# KiCad board Keyboard.kicad_pcb (continued)
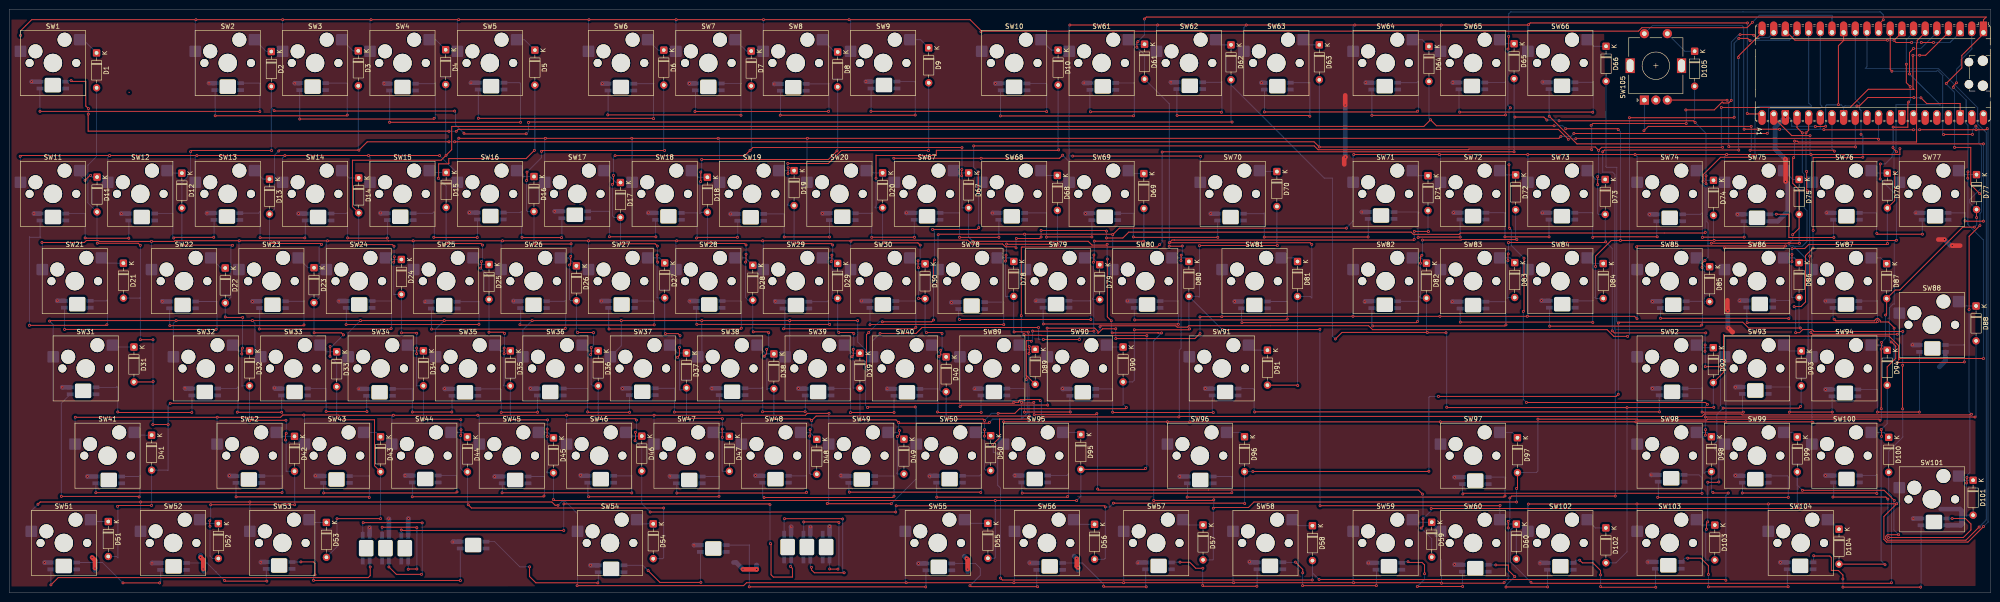
[diagram p0: board, top side]
## Footprints (pads in the part's own frame, mm; a bottom-side part is the same pattern mirrored in y, then rotated)
BAcklight
  rect 1.5x0.82 smd: 1(2.8,0.75) 2(2.8,-0.75) 3(-2.8,-0.75) 4(-2.8,0.75)
D_DO-35_SOD27_P7.62mm_Horizontal
  rrect 1.6x1.6 hole 0.8: 1(0,0)
  round 1.6 hole 0.8: 2(7.62,0)
RaspberryPi_Pico_Common_Unspecified
  round 2.2 hole 2.2 unplated: (-2.725,24) (2.725,24)
  round 1.85 hole 1.85 unplated: (-2.425,20.97) (2.425,20.97)
  custom 3.2x1.6 smd: 1(-9.69,24.13) 3(-9.69,19.05) 8(-9.69,6.35) 13(-9.69,-6.35) 18(-9.69,-19.05) 23(9.69,-19.05) 28(9.69,-6.35) 33(9.69,6.35) 38(9.69,19.05)
  rrect 1.6x1.6 hole 1: 1(-8.89,24.13)
  rrect 3.2x1.6 smd: 2(-9.69,21.59) 4(-9.69,16.51) 5(-9.69,13.97) 6(-9.69,11.43) 7(-9.69,8.89) 9(-9.69,3.81) 10(-9.69,1.27) 11(-9.69,-1.27) 12(-9.69,-3.81) 14(-9.69,-8.89) 15(-9.69,-11.43) 16(-9.69,-13.97) 17(-9.69,-16.51) 19(-9.69,-21.59) 20(-9.69,-24.13) 21(9.69,-24.13) 22(9.69,-21.59) 24(9.69,-16.51) 25(9.69,-13.97) 26(9.69,-11.43) 27(9.69,-8.89) 29(9.69,-3.81) 30(9.69,-1.27) 31(9.69,1.27) 32(9.69,3.81) 34(9.69,8.89) 35(9.69,11.43) 36(9.69,13.97) 37(9.69,16.51) 39(9.69,21.59) 40(9.69,24.13)
  round 1.6 hole 1: 2(-8.89,21.59) 4(-8.89,16.51) 5(-8.89,13.97) 6(-8.89,11.43) 7(-8.89,8.89) 9(-8.89,3.81) 10(-8.89,1.27) 11(-8.89,-1.27) 12(-8.89,-3.81) 14(-8.89,-8.89) 15(-8.89,-11.43) 16(-8.89,-13.97) 17(-8.89,-16.51) 19(-8.89,-21.59) 20(-8.89,-24.13) 21(8.89,-24.13) 22(8.89,-21.59) 24(8.89,-16.51) 25(8.89,-13.97) 26(8.89,-11.43) 27(8.89,-8.89) 29(8.89,-3.81) 30(8.89,-1.27) 31(8.89,1.27) 32(8.89,3.81) 34(8.89,8.89) 35(8.89,11.43) 36(8.89,13.97) 37(8.89,16.51) 39(8.89,21.59) 40(8.89,24.13)
  custom 1.6x1.6 hole 1: 3(-8.89,19.05) 8(-8.89,6.35) 13(-8.89,-6.35) 18(-8.89,-19.05) 23(8.89,-19.05) 28(8.89,-6.35) 33(8.89,6.35) 38(8.89,19.05)
RotaryEncoder_Alps_EC11E-Switch_Vertical_H20mm
  rect 2x2 hole 1: A(0,0)
  round 2 hole 1: B(0,-5) C(0,-2.5) S1(14.5,-5) S2(14.5,0)
  rect 3.2x2 hole 2.8x1.5: MP(7.5,3.1) MP(7.5,-8.1)
SW_Hotswap_Kailh_MX_1.00u
  round 1.75 hole 1.75 unplated: (-5.08,0) (5.08,0)
  round 3.05 hole 3.05 unplated: (-3.81,2.54) (2.54,5.08)
  round 4 hole 4 unplated: (0,0)
  rrect 2.55x2.5 smd far side: 1(-7.085,2.54) 2(5.842,5.08)
SW_Hotswap_Kailh_MX_1.25u
  round 1.75 hole 1.75 unplated: (-5.08,0) (5.08,0)
  round 3.05 hole 3.05 unplated: (-3.81,2.54) (2.54,5.08)
  round 4 hole 4 unplated: (0,0)
  rrect 2.55x2.5 smd far side: 1(-7.085,2.54) 2(5.842,5.08)
SW_Hotswap_Kailh_MX_1.50u
  round 1.75 hole 1.75 unplated: (-5.08,0) (5.08,0)
  round 3.05 hole 3.05 unplated: (-3.81,2.54) (2.54,5.08)
  round 4 hole 4 unplated: (0,0)
  rrect 2.55x2.5 smd far side: 1(-7.085,2.54) 2(5.842,5.08)
SW_Hotswap_Kailh_MX_1.75u
  round 1.75 hole 1.75 unplated: (-5.08,0) (5.08,0)
  round 3.05 hole 3.05 unplated: (-3.81,2.54) (2.54,5.08)
  round 4 hole 4 unplated: (0,0)
  rrect 2.55x2.5 smd far side: 1(-7.085,2.54) 2(5.842,5.08)
SW_Hotswap_Kailh_MX_2.00u
  round 1.75 hole 1.75 unplated: (-5.08,0) (5.08,0)
  round 3.05 hole 3.05 unplated: (-3.81,2.54) (2.54,5.08)
  round 4 hole 4 unplated: (0,0)
  rrect 2.55x2.5 smd far side: 1(-7.085,2.54) 2(5.842,5.08)
SW_Hotswap_Kailh_MX_2.00u_90deg
  round 1.75 hole 1.75 unplated: (-5.08,0) (5.08,0)
  round 3.05 hole 3.05 unplated: (-3.81,2.54) (2.54,5.08)
  round 4 hole 4 unplated: (0,0)
  rrect 2.55x2.5 smd far side: 1(-7.085,2.54) 2(5.842,5.08)
SW_Hotswap_Kailh_MX_2.25u
  round 1.75 hole 1.75 unplated: (-5.08,0) (5.08,0)
  round 3.05 hole 3.05 unplated: (-3.81,2.54) (2.54,5.08)
  round 4 hole 4 unplated: (0,0)
  rrect 2.55x2.5 smd far side: 1(-7.085,2.54) 2(5.842,5.08)
SW_Hotswap_Kailh_MX_2.75u
  round 1.75 hole 1.75 unplated: (-5.08,0) (5.08,0)
  round 3.05 hole 3.05 unplated: (-3.81,2.54) (2.54,5.08)
  round 4 hole 4 unplated: (0,0)
  rrect 2.55x2.5 smd far side: 1(-7.085,2.54) 2(5.842,5.08)
SW_Hotswap_Kailh_MX_6.25u
  round 1.75 hole 1.75 unplated: (-5.08,0) (5.08,0)
  round 3.05 hole 3.05 unplated: (-3.81,2.54) (2.54,5.08)
  round 4 hole 4 unplated: (0,0)
  rrect 2.55x2.5 smd far side: 1(-7.085,2.54) 2(5.842,5.08)

## Nets
+5V: L1.1 L2.1 L3.1 L4.1 L5.1 L6.1 L7.1 L8.1 L9.1 L10.1 L11.1 L12.1 L13.1 L14.1 L15.1 L16.1 L17.1 L18.1 L19.1 L20.1 L21.1 L22.1 L23.1 L24.1 L25.1 L26.1 L27.1 L28.1 L29.1 L30.1 L31.1 L32.1 L33.1 L34.1 L35.1 L36.1 L37.1 L38.1 L39.1 L40.1 L41.1 L42.1 L43.1 L44.1 L45.1 L46.1 L47.1 L48.1 L49.1 L50.1 L51.1 L52.1 L53.1 L54.1 L55.1 L56.1 L57.1 L58.1 L59.1 L60.1 L61.1 L62.1 L63.1 L64.1 L65.1 L66.1 L67.1 L68.1 L69.1 L70.1 L71.1 L72.1 L73.1 L74.1 L75.1 L76.1 L77.1 L78.1 L79.1 L80.1 L81.1 L82.1 L83.1 L84.1 L85.1 L86.1 L87.1 L88.1 L89.1 L90.1 L91.1 L92.1 L93.1 L94.1 L95.1 L96.1 L97.1 L98.1 L99.1 L100.1 L101.1 L102.1 L103.1 L104.1 L105.1 L106.1 L107.1 L108.1 L109.1 L110.1 L111.1 L112.1
GND: A1.3 A1.8 A1.13 A1.18 A1.23 A1.28 A1.38 L1.3 L2.3 L3.3 L4.3 L5.3 L6.3 L7.3 L8.3 L9.3 L10.3 L11.3 L12.3 L13.3 L14.3 L15.3 L16.3 L17.3 L18.3 L19.3 L20.3 L21.3 L22.3 L23.3 L24.3 L25.3 L26.3 L27.3 L28.3 L29.3 L30.3 L31.3 L32.3 L33.3 L34.3 L35.3 L36.3 L37.3 L38.3 L39.3 L40.3 L41.3 L42.3 L43.3 L44.3 L45.3 L46.3 L47.3 L48.3 L49.3 L50.3 L51.3 L52.3 L53.3 L54.3 L55.3 L56.3 L57.3 L58.3 L59.3 L60.3 L61.3 L62.3 L63.3 L64.3 L65.3 L66.3 L67.3 L68.3 L69.3 L70.3 L71.3 L72.3 L73.3 L74.3 L75.3 L76.3 L77.3 L78.3 L79.3 L80.3 L81.3 L82.3 L83.3 L84.3 L85.3 L86.3 L87.3 L88.3 L89.3 L90.3 L91.3 L92.3 L93.3 L94.3 L95.3 L96.3 L97.3 L98.3 L99.3 L100.3 L101.3 L102.3 L103.3 L104.3 L105.3 L106.3 L107.3 L108.3 L109.3 L110.3 L111.3 L112.3 SW105.C
COL1: A1.1 D1.2 D11.2 D21.2 D31.2 D41.2 D51.2 D61.2 D71.2 D81.2 D91.2 D101.2
COL2: A1.2 D2.2 D12.2 D22.2 D32.2 D42.2 D52.2 D62.2 D72.2 D82.2 D92.2 D102.2
COL3: A1.4 D3.2 D13.2 D23.2 D33.2 D43.2 D53.2 D63.2 D73.2 D83.2 D93.2 D103.2
COL4: A1.5 D4.2 D14.2 D24.2 D34.2 D44.2 D54.2 D64.2 D74.2 D84.2 D94.2 D104.2
COL5: A1.6 D5.2 D15.2 D25.2 D35.2 D45.2 D55.2 D65.2 D75.2 D85.2 D95.2 D105.2
COL6: A1.7 D6.2 D16.2 D26.2 D36.2 D46.2 D56.2 D66.2 D76.2 D86.2 D96.2
COL7: A1.9 D7.2 D17.2 D27.2 D37.2 D47.2 D57.2 D67.2 D77.2 D87.2 D97.2
COL8: A1.10 D8.2 D18.2 D28.2 D38.2 D48.2 D58.2 D68.2 D78.2 D88.2 D98.2
COL9: A1.11 D9.2 D19.2 D29.2 D39.2 D49.2 D59.2 D69.2 D79.2 D89.2 D99.2
COL10: A1.12 D10.2 D20.2 D30.2 D40.2 D50.2 D60.1 D60.2 D70.2 D80.2 D90.2 D100.2 SW60.2
RGB: A1.31 L1.4
ROW1: A1.14 SW1.1 SW2.1 SW3.1 SW4.1 SW5.1 SW6.1 SW7.1 SW8.1 SW9.1 SW10.1
ROW2: A1.15 SW11.1 SW12.1 SW13.1 SW14.1 SW15.1 SW16.1 SW17.1 SW18.1 SW19.1 SW20.1
ROW3: A1.16 SW21.1 SW22.1 SW23.1 SW24.1 SW25.1 SW26.1 SW27.1 SW28.1 SW29.1 SW30.1
ROW4: A1.17 SW31.1 SW32.1 SW33.1 SW34.1 SW35.1 SW36.1 SW37.1 SW38.1 SW39.1 SW40.1
ROW5: A1.19 SW41.1 SW42.1 SW43.1 SW44.1 SW45.1 SW46.1 SW47.1 SW48.1 SW49.1 SW50.1
ROW6: A1.20 SW51.1 SW52.1 SW53.1 SW54.1 SW55.1 SW56.1 SW57.1 SW58.1 SW59.1 SW60.1
ROW7: A1.21 SW61.1 SW62.1 SW63.1 SW64.1 SW65.1 SW66.1 SW67.1 SW68.1 SW69.1 SW70.1
ROW8: A1.22 SW71.1 SW72.1 SW73.1 SW74.1 SW75.1 SW76.1 SW77.1 SW78.1 SW79.1 SW80.1
ROW9: A1.24 SW81.1 SW82.1 SW83.1 SW84.1 SW85.1 SW86.1 SW87.1 SW88.1 SW89.1 SW90.1
ROW10: A1.25 SW91.1 SW92.1 SW93.1 SW94.1 SW95.1 SW96.1 SW97.1 SW98.1 SW99.1 SW100.1
ROW11: A1.26 SW101.1 SW102.1 SW103.1 SW104.1 SW105.S2
S1: D105.1 SW105.S1
Net-(A1-GPIO21): A1.27 SW105.A
Net-(A1-GPIO22): A1.29 SW105.B
Net-(D1-K): D1.1 SW1.2
Net-(D2-K): D2.1 SW2.2
Net-(D3-K): D3.1 SW3.2
Net-(D4-K): D4.1 SW4.2
Net-(D5-K): D5.1 SW5.2
Net-(D6-K): D6.1 SW6.2
Net-(D7-K): D7.1 SW7.2
Net-(D8-K): D8.1 SW8.2
Net-(D9-K): D9.1 SW9.2
Net-(D10-K): D10.1 SW10.2
Net-(D11-K): D11.1 SW11.2
Net-(D12-K): D12.1 SW12.2
Net-(D13-K): D13.1 SW13.2
Net-(D14-K): D14.1 SW14.2
Net-(D15-K): D15.1 SW15.2
Net-(D16-K): D16.1 SW16.2
Net-(D17-K): D17.1 SW17.2
Net-(D18-K): D18.1 SW18.2
Net-(D19-K): D19.1 SW19.2
Net-(D20-K): D20.1 SW20.2
Net-(D21-K): D21.1 SW21.2
Net-(D22-K): D22.1 SW22.2
Net-(D23-K): D23.1 SW23.2
Net-(D24-K): D24.1 SW24.2
Net-(D25-K): D25.1 SW25.2
Net-(D26-K): D26.1 SW26.2
Net-(D27-K): D27.1 SW27.2
Net-(D28-K): D28.1 SW28.2
Net-(D29-K): D29.1 SW29.2
Net-(D30-K): D30.1 SW30.2
Net-(D31-K): D31.1 SW31.2
Net-(D32-K): D32.1 SW32.2
Net-(D33-K): D33.1 SW33.2
Net-(D34-K): D34.1 SW34.2
Net-(D35-K): D35.1 SW35.2
Net-(D36-K): D36.1 SW36.2
Net-(D37-K): D37.1 SW37.2
Net-(D38-K): D38.1 SW38.2
Net-(D39-K): D39.1 SW39.2
Net-(D40-K): D40.1 SW40.2
Net-(D41-K): D41.1 SW41.2
Net-(D42-K): D42.1 SW42.2
Net-(D43-K): D43.1 SW43.2
Net-(D44-K): D44.1 SW44.2
Net-(D45-K): D45.1 SW45.2
Net-(D46-K): D46.1 SW46.2
Net-(D47-K): D47.1 SW47.2
Net-(D48-K): D48.1 SW48.2
Net-(D49-K): D49.1 SW49.2
Net-(D50-K): D50.1 SW50.2
Net-(D51-K): D51.1 SW51.2
Net-(D52-K): D52.1 SW52.2
Net-(D53-K): D53.1 SW53.2
Net-(D54-K): D54.1 SW54.2
Net-(D55-K): D55.1 SW55.2
Net-(D56-K): D56.1 SW56.2
Net-(D57-K): D57.1 SW57.2
Net-(D58-K): D58.1 SW58.2
Net-(D59-K): D59.1 SW59.2
Net-(D61-K): D61.1 SW61.2
Net-(D62-K): D62.1 SW62.2
Net-(D63-K): D63.1 SW63.2
Net-(D64-K): D64.1 SW64.2
Net-(D65-K): D65.1 SW65.2
Net-(D66-K): D66.1 SW66.2
Net-(D67-K): D67.1 SW67.2
Net-(D68-K): D68.1 SW68.2
Net-(D69-K): D69.1 SW69.2
Net-(D70-K): D70.1 SW70.2
Net-(D71-K): D71.1 SW71.2
Net-(D72-K): D72.1 SW72.2
Net-(D73-K): D73.1 SW73.2
Net-(D74-K): D74.1 SW74.2
Net-(D75-K): D75.1 SW75.2
Net-(D76-K): D76.1 SW76.2
Net-(D77-K): D77.1 SW77.2
Net-(D78-K): D78.1 SW78.2
Net-(D79-K): D79.1 SW79.2
Net-(D80-K): D80.1 SW80.2
Net-(D81-K): D81.1 SW81.2
Net-(D82-K): D82.1 SW82.2
Net-(D83-K): D83.1 SW83.2
Net-(D84-K): D84.1 SW84.2
Net-(D85-K): D85.1 SW85.2
Net-(D86-K): D86.1 SW86.2
Net-(D87-K): D87.1 SW87.2
Net-(D88-K): D88.1 SW88.2
Net-(D89-K): D89.1 SW89.2
Net-(D90-K): D90.1 SW90.2
Net-(D91-K): D91.1 SW91.2
Net-(D92-K): D92.1 SW92.2
Net-(D93-K): D93.1 SW93.2
Net-(D94-K): D94.1 SW94.2
Net-(D95-K): D95.1 SW95.2
Net-(D96-K): D96.1 SW96.2
Net-(D97-K): D97.1 SW97.2
Net-(D98-K): D98.1 SW98.2
Net-(D99-K): D99.1 SW99.2
Net-(D100-K): D100.1 SW100.2
Net-(D101-K): D101.1 SW101.2
Net-(D102-K): D102.1 SW102.2
Net-(D103-K): D103.1 SW103.2
Net-(D104-K): D104.1 SW104.2
Net-(L1-DOUT): L1.2 L2.4
Net-(L2-DOUT): L2.2 L3.4
Net-(L3-DOUT): L3.2 L4.4
Net-(L4-DOUT): L4.2 L5.4
Net-(L5-DOUT): L5.2 L6.4
Net-(L6-DOUT): L6.2 L7.4
Net-(L7-DOUT): L7.2 L8.4
Net-(L8-DOUT): L8.2 L9.4
Net-(L10-DIN): L9.2 L10.4
Net-(L10-DOUT): L10.2 L11.4
Net-(L11-DOUT): L11.2 L12.4
Net-(L12-DOUT): L12.2 L13.4
Net-(L13-DOUT): L13.2 L14.4
Net-(L14-DOUT): L14.2 L15.4
Net-(L15-DOUT): L15.2 L16.4
Net-(L16-DOUT): L16.2 L17.4
Net-(L17-DOUT): L17.2 L18.4
Net-(L18-DOUT): L18.2 L19.4
Net-(L19-DOUT): L19.2 L20.4
Net-(L20-DOUT): L20.2 L21.4
Net-(L21-DOUT): L21.2 L22.4
Net-(L22-DOUT): L22.2 L23.4
Net-(L23-DOUT): L23.2 L24.4
Net-(L24-DOUT): L24.2 L25.4
Net-(L25-DOUT): L25.2 L26.4
Net-(L26-DOUT): L26.2 L27.4
Net-(L27-DOUT): L27.2 L28.4
Net-(L28-DOUT): L28.2 L29.4
Net-(L29-DOUT): L29.2 L30.4
Net-(L30-DOUT): L30.2 L31.4
Net-(L31-DOUT): L31.2 L32.4
Net-(L32-DOUT): L32.2 L33.4
Net-(L33-DOUT): L33.2 L34.4
Net-(L34-DOUT): L34.2 L35.4
Net-(L35-DOUT): L35.2 L36.4
Net-(L36-DOUT): L36.2 L37.4
Net-(L37-DOUT): L37.2 L38.4
Net-(L38-DOUT): L38.2 L39.4
Net-(L39-DOUT): L39.2 L40.4
Net-(L40-DOUT): L40.2 L41.4
Net-(L41-DOUT): L41.2 L42.4
Net-(L42-DOUT): L42.2 L43.4
Net-(L43-DOUT): L43.2 L44.4
Net-(L44-DOUT): L44.2 L45.4
Net-(L45-DOUT): L45.2 L46.4
Net-(L46-DOUT): L46.2 L47.4
Net-(L47-DOUT): L47.2 L48.4
Net-(L48-DOUT): L48.2 L49.4
Net-(L49-DOUT): L49.2 L50.4
Net-(L50-DOUT): L50.2 L51.4
Net-(L51-DOUT): L51.2 L52.4
Net-(L52-DOUT): L52.2 L53.4
Net-(L53-DOUT): L53.2 L54.4
Net-(L54-DOUT): L54.2 L55.4
Net-(L55-DOUT): L55.2 L56.4
Net-(L56-DOUT): L56.2 L57.4
Net-(L57-DOUT): L57.2 L58.4
Net-(L58-DOUT): L58.2 L59.4
Net-(L59-DOUT): L59.2 L60.4
Net-(L60-DOUT): L60.2 L61.4
Net-(L61-DOUT): L61.2 L62.4
Net-(L62-DOUT): L62.2 L63.4
Net-(L63-DOUT): L63.2 L64.4
Net-(L64-DOUT): L64.2 L65.4
Net-(L65-DOUT): L65.2 L66.4
Net-(L66-DOUT): L66.2 L67.4
Net-(L67-DOUT): L67.2 L68.4
Net-(L68-DOUT): L68.2 L69.4
Net-(L69-DOUT): L69.2 L70.4
Net-(L70-DOUT): L70.2 L71.4
Net-(L71-DOUT): L71.2 L72.4
Net-(L72-DOUT): L72.2 L73.4
Net-(L73-DOUT): L73.2 L74.4
Net-(L74-DOUT): L74.2 L75.4
Net-(L75-DOUT): L75.2 L76.4
Net-(L76-DOUT): L76.2 L77.4
Net-(L77-DOUT): L77.2 L78.4
Net-(L78-DOUT): L78.2 L79.4
Net-(L79-DOUT): L79.2 L80.4
Net-(L80-DOUT): L80.2 L81.4
Net-(L81-DOUT): L81.2 L82.4
Net-(L82-DOUT): L82.2 L83.4
Net-(L83-DOUT): L83.2 L84.4
Net-(L84-DOUT): L84.2 L85.4
Net-(L85-DOUT): L85.2 L86.4
Net-(L86-DOUT): L86.2 L87.4
Net-(L87-DOUT): L87.2 L88.4
Net-(L88-DOUT): L88.2 L89.4
Net-(L89-DOUT): L89.2 L90.4
Net-(L90-DOUT): L90.2 L91.4
Net-(L91-DOUT): L91.2 L92.4
Net-(L92-DOUT): L92.2 L93.4
Net-(L93-DOUT): L93.2 L94.4
Net-(L94-DOUT): L94.2 L95.4
Net-(L95-DOUT): L95.2 L96.4
Net-(L96-DOUT): L96.2 L97.4
Net-(L97-DOUT): L97.2 L98.4
Net-(L98-DOUT): L98.2 L99.4
Net-(L100-DIN): L99.2 L100.4
Net-(L100-DOUT): L100.2 L101.4
Net-(L101-DOUT): L101.2 L102.4
Net-(L102-DOUT): L102.2 L103.4
Net-(L103-DOUT): L103.2 L104.4
Net-(L104-DOUT): L104.2 L105.4
Net-(L105-DOUT): L105.2 L106.4
Net-(L106-DOUT): L106.2 L107.4
Net-(L107-DOUT): L107.2 L108.4
Net-(L108-DOUT): L108.2 L109.4
Net-(L109-DOUT): L109.2 L110.4
Net-(L110-DOUT): L110.2 L111.4
Net-(L111-DOUT): L111.2 L112.4

Pads without a net: A1 30 32 33 34 35 36 37 39 40; L112 2; SW105 MP

## Via types
v1: diameter 0.6, hole 0.3, Top to Bottom, 976 vias

## Routing (per net, layer and track width the routed paths; a pad name or vN(x,y) marks a point on that pad's centre or on a via; arc(x,y) is an arc through that point)
+5V: length 205.6
  Top w1: 291.25,108.59 v1(291.25,106.47) ; 291.03,93.53 291.03,94.85 v1(291.29,95.11) ; 375.7,56.93 375.65,56.93 v1(374.78,57.79) ; 374.56,63.87 374.56,61.71 v1(374.65,61.63) ; 425.3,75.79 423.6,75.79 v1(423.57,75.82) ; v1(421.88,77.12) 420.53,77.12
  Bottom w1: v1(148.29,111.2) 148.29,111.2 L7.1 ; L110.1 170.44,14.39 v1(170.47,14.42) ; v1(4.91,111.59) 4.92,111.58 L1.1 ; v1(296.29,6.52) 296.32,6.55 L96.1 ; v1(17.05,25.44) 17.09,25.4 L75.1 ; v1(153.19,44.64) 153.2,44.65 L67.1 ; L10.1 214.99,111.2 v1(214.98,111.21) ; v1(376.76,82.64) 376.78,82.62 L19.1 ; v1(66.76,25.55) 66.81,25.5 L77.1 ; v1(229.63,44.57) 229.69,44.51 L63.1 ; L38.1 10.49,63.75 v1(10.49,63.75) ; v1(174.66,14.37) 174.64,14.35 L111.1 ; L66.1 172.06,44.58 v1(172.03,44.61) ; v1(334.24,82.94) 334.27,82.97 L21.1 ; v1(148.38,63.68) 148.41,63.7 L45.1 ; L100.1 198.25,6.42 v1(198.22,6.39) ; v1(181.33,25.61) 181.43,25.5 L83.1 ; v1(395.97,44.38) 395.99,44.4 L59.1 ; L98.1 246.13,6.63 v1(246.04,6.54) ; v1(377.27,63.78) 377.29,63.8 L56.1 ; v1(261.94,82.78) 261.95,82.77 L24.1 ; L13.1 273,111.35 v1(272.99,111.34) ; L60.1 376.36,44.93 v1(376.32,44.89) ; L53.1 314.61,63.55 v1(314.59,63.53) ; L51.1 267.17,63.6 v1(267.16,63.61) ; L46.1 167.09,63.55 v1(166.99,63.65) ; L74.1 11.61,44.85 v1(11.56,44.9) ; L86.1 255.19,25.4 v1(255.18,25.39) ; v1(374.65,61.63) 374.65,57.93 v1(374.78,57.79) ; v1(94.93,44.55) 94.97,44.51 L70.1 ; v1(423.57,75.82) 423.18,75.82 v1(421.88,77.12) ; L55.1 358.25,63.65 v1(358.22,63.62) ; L52.1 295.63,63.65 v1(295.53,63.55) ; L108.1 82.78,16.11 v1(82.74,16.16) ; v1(62.26,111.25) 62.26,111.25 L3.1 ; v1(139.33,82.95) 139.36,82.93 L30.1 ; L91.1 415.09,16.23 v1(415.04,16.18) ; L99.1 v1(222.51,6.52) 222.44,6.59 ; L5.1 100.67,111.35 v1(100.66,111.34) ; L82.1 162.74,25.55 v1(162.67,25.62) ; L94.1 333.78,6.55 v1(333.7,6.48) ; v1(200.64,25.46) 200.73,25.55 L84.1 ; v1(53.04,63.61) 53.08,63.65 L40.1 ; v1(334.31,111.5) 334.35,111.45 L16.1 ; v1(48,25.59) 48.1,25.5 L76.1 ; L34.1 63.1,82.79 v1(63.09,82.78) ; L43.1 109.99,63.65 v1(109.92,63.72) ; L41.1 71.91,63.7 v1(71.87,63.67) ; L31.1 118.94,83.28 v1(118.94,83.28) ; v1(133.7,44.6) 133.75,44.65 L68.1 ; L71.1 v1(76.24,44.51) ; v1(105.83,25.36) 105.87,25.4 L79.1 ; v1(124.56,25.68) 124.69,25.55 L80.1 ; v1(357.22,6.71) 357.25,6.75 L93.1 ; v1(395.92,25.63) 395.95,25.6 L90.1 ; L95.1 315.16,6.13 v1(315.1,6.2) ; L49.1 223.85,63.75 v1(223.82,63.72) ; L4.1 81.8,111.15 v1(81.73,111.22) ; v1(78.56,14.22) 78.58,14.2 L107.1 ; L39.1 33.41,63.6 v1(33.36,63.65) ; L36.1 24.44,82.79 v1(24.43,82.78) ; L25.1 234.67,82.86 v1(234.64,82.83) ; L42.1 v1(90.66,63.55) ; v1(243.8,63.71) 243.81,63.7 L50.1 ; v1(291.25,106.47) 291.25,95.15 v1(291.29,95.11) ; v1(149.28,10.41) 149.29,10.43 L101.1 ; L103.1 96.77,11.18 v1(96.7,11.1) ; v1(415.64,82.95) 415.66,82.94 L17.1 ; L72.1 57.96,44.58 v1(57.81,44.72) ; v1(357.63,82.61) 357.64,82.62 L20.1 ; L12.1 253.26,111.45 v1(253.24,111.47) ; L109.1 86.98,16.17 v1(87.04,16.22) ; v1(195.58,82.95) 195.61,82.93 L27.1 ; v1(314.71,111.38) 314.73,111.4 L15.1 ; v1(7.72,6.59) 7.76,6.62 L106.1 ; v1(295.74,111.37) 295.76,111.35 L14.1 ; L26.1 214.42,82.93 v1(214.39,82.9) ; v1(395.98,63.69) 395.99,63.7 L57.1 ; L69.1 113.66,44.58 v1(113.6,44.64) ; L28.1 177.32,82.86 v1(177.3,82.84) ; L58.1 414.97,54.1 v1(414.93,54.14) ; v1(43.55,111.25) L2.1 ; v1(100.34,82.98) 100.36,83 L32.1 ; L54.1 334.11,63.75 v1(334.05,63.81) ; v1(357.93,25.74) 357.94,25.75 L88.1 ; L11.1 234.28,111.3 v1(234.27,111.31) ; L87.1 315.11,25.25 v1(315.1,25.24) ; v1(80.92,82.93) 80.99,82.86 L33.1 ; v1(260.73,44.62) 260.76,44.58 L62.1 ; L104.1 54.92,6.73 v1(54.86,6.67) ; v1(185.82,63.72) 185.84,63.7 L47.1 ; v1(31.13,6.46) 31.19,6.52 L105.1 ; L44.1 129.09,63.7 v1(129.08,63.69) ; L37.1 5.42,82.79 v1(5.4,82.81) ; L9.1 v1(186.76,111.6) ; v1(157.26,82.71) 157.27,82.72 L29.1 ; v1(205.38,63.38) 205.45,63.45 L48.1 ; L35.1 43.14,82.89 v1(43.13,82.9) ; v1(191.39,44.55) 191.44,44.51 L65.1 ; v1(294.87,83.13) 294.88,83.13 L23.1 ; v1(178.88,14.48) 178.84,14.44 L112.1 ; v1(396.23,82.97) 396.25,82.94 L18.1 ; L85.1 219.25,25.6 v1(219.25,25.61) ; v1(126.73,6.03) 126.76,6 L102.1 ; L78.1 86.32,25.6 v1(86.31,25.59) ; L8.1 166.79,111.1 v1(166.78,111.08) ; L22.1 314.91,82.98 v1(314.89,83) ; v1(129.3,111.15) 129.3,111.15 L6.1 ; L81.1 144.13,25.4 v1(144.04,25.49) ; L64.1 210.54,44.58 v1(210.5,44.54) ; L61.1 358.2,44.62 v1(358.2,44.62) ; v1(270.39,6.78) 270.52,6.65 L97.1 ; L89.1 376.38,25.55 v1(376.3,25.63) ; L73.1 38.39,44.59 v1(38.31,44.67) ; v1(386.1,6.66) 386.12,6.65 L92.1
GND: length 173.9
  Top w0.2: v1(416.75,108.06) 417.98,106.83 425.24,106.83 425.29,106.78 A1.38 ; v1(416.83,120.12) 416.84,120.13 v1(419.49,120.13) ; 399.89,122.33 399.89,120.69 399.95,120.63 ; 399.95,120.63 389.29,120.63 387.59,122.33 387.19,122.33 ; 399.95,120.63 398.75,119.43 v1(398.75,106.56) ; 399.95,120.63 v1(409.45,120.63) ; v1(415.2,108.12) 405.16,108.12 403.33,106.29 v1(402.78,106.29) ; v1(393.72,101.8) 395.93,101.8 v1(395.98,101.85) ; 412.59,122.33 410.87,120.6 v1(410.86,120.6) 411.33,120.13 v1(414.71,120.13) ; A1.23 387.19,102.51
  Top w1: v1(208.94,5.18) 208.94,7.29 v1(208.75,7.48) ; v1(233.01,5.52) 232.72,5.81 v1(232.72,7.46) ; v1(18.07,7.74) 18.72,7.09 v1(18.72,5.4) ; v1(41.72,7.76) 42.31,7.18 v1(42.31,5.22) ; v1(387.24,89.8) 387.24,94.6 v1(387.16,94.68) ; v1(159.97,5.13) 162.92,5.13 v1(162.94,5.11)
  Bottom w0.2: v1(416.75,108.06) 415.26,108.06 v1(415.2,108.12) ; 399.89,106 400.18,106.29 v1(402.78,106.29) ; 399.89,106 A1.28 ; 399.89,106 399.42,106.47 399.42,106.52 396.14,106.52 395.98,106.36 v1(395.98,101.85) ; v1(409.45,120.63) 410.83,120.63 v1(410.86,120.6) ; v1(416.83,120.12) 416.82,120.13 v1(414.71,120.13) ; v1(419.49,120.13) 423.09,120.13 425.29,122.33 ; A1.23 388.58,103.16 388.58,101.85 393.67,101.85 v1(393.72,101.8)
  Bottom w1: 232.15,8.04 v1(232.72,7.46) ; L58.3 422.05,50.58 420.77,49.3 ; 18.72,4.88 v1(18.72,5.4) ; 208.24,8 208.24,7.98 v1(208.75,7.48) ; v1(159.97,5.13) 158.47,6.63 157.87,6.63 ; v1(208.94,5.18) 208.95,5.17 208.95,4.66 ; L91.3 425.44,14.73 425.81,15.09 425.6,15.3 425.6,17.95 425.27,18.29 421.05,18.29 ; v1(387.24,89.8) 387.72,89.32 387.72,83.28 385.56,81.12 L19.3 ; 162.92,6.08 162.94,6.06 v1(162.94,5.11) ; v1(41.72,7.76) 41.72,8.24 ; v1(233.01,5.52) 233.01,4.88 ; v1(387.19,103.75) 387.09,103.75 384.94,101.59 384.94,96.9 v1(387.16,94.68) ; 42.42,4.67 42.42,5.11 v1(42.31,5.22)
(no net): length 0.1
  Top w0.2: 26.11,109.28 26.18,109.21
COL1: length 1076.3
  Top w0.2: v1(252.88,75.66) 255.67,75.66 v1(255.72,75.72) ; v1(427.76,38.98) 427.41,38.98 427.27,38.84 377.78,38.84 377.58,39.04 369.54,39.04 369.02,38.52 255.11,38.52 v1(254.99,38.4) 225.25,38.4 v1(224.98,38.13) ; v1(246.05,120.36) 245.83,120.14 v1(245.83,119.1) ; v1(306.28,77.16) 306.12,77.01 253.97,77.01 253.95,77.03 253.49,77.03 v1(252.88,76.42) 283.6,76.42 v1(283.96,76.05) ; v1(255.49,73.72) 255.49,72.57 v1(255.44,72.52) ; v1(309.38,78.86) 309.33,78.91 v1(306.3,78.91) ; v1(31.38,46.13) 31.29,46.04 D31.2 ; v1(31.33,36.73) v1(34.65,36.73) ; D91.2 280.8,45.34 v1(280.9,45.24) ; v1(429.56,87.14) 427.61,89.09 427.61,97.24 v1(424.07,97.24) ; v1(426.7,23.98) 426.77,24.05 v1(426.77,25.18) ; v1(19.2,76.31) 28.13,76.31 v1(28.58,75.86) ; 430.37,122.33 430.37,122.03 425.66,117.32 425.66,114.59 v1(422.27,111.2) ; v1(429.6,80.18) 427.24,77.82 v1(427.24,61.84) ; A1.1 430.37,125.08 430.98,125.69 247.9,125.69 v1(247.47,125.26) ; v1(23.61,18.89) 23.81,19.08 v1(31.04,19.08) ; v1(224.76,41.96) 224.53,42.19 220.41,42.19 220.06,41.83 220.06,41.6 220.05,41.59 v1(219.01,41.59) 218.82,41.39 35.12,41.39 v1(35.11,41.37) 35.12,41.39 ; v1(28.58,55.25) v1(31.36,55.25)
  Bottom w0.2: v1(35.11,41.37) 34.65,40.92 v1(34.65,36.73) 34.65,26.76 34.58,26.69 34.49,26.79 D41.2 31.05,19.09 v1(31.04,19.08) ; v1(31.36,55.25) 31.36,46.15 v1(31.38,46.13) 31.38,36.78 v1(31.33,36.73) ; v1(427.24,61.84) 427.24,39.5 v1(427.76,38.98) 427.41,38.63 427.41,26.29 426.92,25.8 426.92,25.33 v1(426.77,25.18) ; v1(245.83,119.1) 247.5,117.43 D61.2 252.88,106.75 v1(252.88,76.42) 252.88,75.67 v1(252.88,75.66) ; D21.2 28.48,64.34 28.5,64.35 28.61,64.35 ; v1(283.96,76.05) 283.96,64.36 283.62,64.71 D81.2 280.85,45.29 v1(280.9,45.24) ; v1(224.98,38.13) 224.98,41.74 v1(224.76,41.96) ; v1(429.56,87.14) 429.96,86.74 429.96,83.19 429.6,82.83 v1(429.6,80.18) ; v1(255.49,73.72) 255.72,73.96 v1(255.72,75.72) ; v1(254.99,38.4) 255.07,38.48 255.07,52.96 255.47,53.36 255.47,72.49 v1(255.44,72.52) ; D71.2 309.29,78.95 v1(309.38,78.86) ; v1(246.05,120.36) 247.47,121.78 v1(247.47,125.26) ; v1(422.27,111.2) 422.27,111.03 424.07,109.23 v1(424.07,97.24) ; 28.61,64.35 28.61,75.84 v1(28.58,75.86) ; 28.61,64.35 28.61,55.28 v1(28.58,55.25) ; v1(23.61,18.89) 23.71,18.79 23.71,7.62 23.39,7.94 D51.2 ; v1(19.2,76.31) 19.15,76.37 D11.2 17.15,85.14 17.15,93.34 17.14,93.35 19.05,95.26 D1.2 ; v1(306.3,78.91) 306.28,78.88 v1(306.28,77.16) ; v1(426.7,23.98) 426.62,23.89 426.62,16.76 426.72,16.76 426.92,16.96 D101.2
COL2: length 803.1
  Top w0.2: v1(60.33,37.67) 52.52,37.67 v1(52.42,37.57) ; v1(307.96,73.69) 307.65,73.39 v1(307.65,71.96) ; D92.2 373.7,48.12 373.7,56.36 374.01,56.05 409.79,56.05 411.88,53.95 411.88,50.83 412.2,51.15 v1(430.37,51.15) ; v1(308.09,77) 316.5,77 316.6,77.11 v1(328.66,77.11) ; v1(112.71,100.21) 112.68,100.17 99.3,100.17 v1(99.13,100.34) ; v1(57.19,96.54) 39.79,96.54 v1(39.55,96.31) ; v1(426.96,90.5) 426.96,91.86 v1(427,91.9) ; v1(313.36,40.5) 313.43,40.44 v1(352.67,40.44) 371.55,40.44 v1(371.6,40.49) ; v1(60.4,34.81) 60.22,34.64 v1(60.22,33.37) ; v1(47.1,60.22) 47.2,60.13 v1(50.91,60.13) ; v1(313.22,56.77) 309.2,56.77 v1(309.12,56.85) 290.54,56.85 v1(289.1,55.41) ; v1(43.73,15.73) 43.73,14.56 v1(43.78,14.52) ; v1(423.81,110.35) 423.81,110.65 v1(424.5,111.34) ; v1(50.88,53.42) 50.72,53.25 v1(50.72,52.16) ; v1(37.96,75.91) 48.65,75.91 v1(48.69,75.87) ; v1(113.2,102.67) 113.29,102.77 v1(266.59,102.77) ; v1(97.09,105.17) 57.84,105.17 v1(57.76,105.26) ; v1(62.24,19.23) v1(43.93,19.23)
  Bottom w0.2: v1(426.96,90.5) 426.97,90.49 426.97,80.4 430.37,77 v1(430.37,51.15) ; v1(48.69,75.87) 48.34,75.51 48.34,64.53 D22.2 47.1,60.23 v1(47.1,60.22) ; D72.2 328.39,77.38 v1(328.66,77.11) ; D92.2 371.48,40.61 v1(371.6,40.49) ; v1(352.67,40.44) 352.67,8.98 350.25,6.55 D102.2 ; v1(60.33,37.67) 60.4,37.61 v1(60.4,34.81) ; D62.2 266.35,110.87 ; 266.35,110.87 266.35,103.01 v1(266.59,102.77) ; 266.35,110.87 286.69,90.53 288.44,90.53 288.44,56.06 v1(289.1,55.41) ; v1(43.73,15.73) 43.93,15.92 v1(43.93,19.23) ; v1(50.91,60.13) 50.88,60.1 v1(50.88,53.42) ; v1(424.5,111.34) 424.5,114.31 425.51,115.32 425.51,116.39 427.83,118.71 427.83,122.33 ; v1(43.78,14.52) 43.78,8.03 44.31,7.5 D52.2 ; v1(313.36,40.5) 313.36,56.62 v1(313.22,56.77) ; v1(50.72,52.16) 50.75,52.12 50.75,45.12 50.82,45.19 D32.2 52.4,37.58 v1(52.42,37.57) ; v1(113.2,102.67) 113.2,100.69 v1(112.71,100.21) ; v1(307.96,73.69) 308.09,73.83 v1(308.09,77) ; v1(97.09,105.17) 97.32,104.95 97.32,102.15 v1(99.13,100.34) ; v1(39.55,96.31) 39.55,91.91 38.88,91.23 38.88,90.82 37.65,89.6 D12.2 37.65,76.22 v1(37.96,75.91) ; v1(423.81,110.35) 426.6,107.55 426.6,102.85 426.42,102.67 427,102.09 v1(427,91.9) ; v1(60.22,33.37) 60.37,33.22 60.37,26.49 60.43,26.54 D42.2 62.24,26.5 v1(62.24,19.23) ; v1(57.19,96.54) 57.15,96.59 D2.2 57.15,105.86 v1(57.76,105.26) ; v1(307.65,71.96) 307.65,64.79 307.47,64.61 307.75,64.33 D82.2 308.96,57.01 v1(309.12,56.85)
COL3: length 721.8
  Top w0.2: v1(72.87,56.31) 72.43,56.75 v1(66.48,56.75) ; v1(373.51,97.26) 347.14,97.26 v1(346.48,96.6) 345.75,97.33 v1(285.59,97.33) 284.45,98.46 v1(97.1,98.46) ; v1(369.73,49.37) 369.74,49.39 v1(373.07,49.39) ; v1(346.29,89.1) 346.28,89.11 v1(346.28,90.84) ; v1(68.1,76.07) 67.91,76.26 v1(56.83,76.26) ; v1(71.48,38.22) 71.94,37.77 79.64,37.77 79.64,27.75 D43.2 ; v1(370.26,15.48) 369.99,15.21 v1(369.99,13.87) ; v1(415,117.33) 415,110.14 415.22,109.92 405.26,109.92 401.3,105.96 v1(373.23,105.96) ; v1(372.69,24.2) 372.61,24.12 370.3,24.12 v1(370.28,24.14) ; v1(326.78,74) 326.72,73.93 v1(326.72,72.52) ; v1(326.83,76.46) 347.88,76.46 v1(348.03,76.61) ; v1(80.97,16.19) v1(71.46,16.19) ; v1(95.87,98.45) 78.05,98.45 v1(76.24,96.64) 58.96,96.64 v1(58.77,96.45) ; v1(349.45,57.19) 349.89,56.74 v1(369.84,56.74) ; v1(369.67,52.71) 369.67,54.09 v1(369.7,54.12) ; v1(416.47,117.35) 417.77,117.35 422.75,122.33 ; v1(69.96,53.77) 69.96,51.68 v1(69.93,51.65) ; v1(373.63,40.32) 390.15,40.32 v1(390.52,40.69)
  Bottom w0.2: v1(72.87,56.31) 70.34,53.77 v1(69.96,53.77) ; v1(369.73,49.37) 369.73,52.66 v1(369.67,52.71) ; v1(71.48,38.22) 71.4,38.3 D33.2 71.4,50.18 v1(69.93,51.65) ; v1(326.72,72.52) 326.54,72.34 326.54,64.27 326.74,64.47 D83.2 ; v1(97.1,98.46) 95.87,98.46 v1(95.87,98.45) ; v1(68.1,76.07) 67.55,75.53 67.55,64.45 D23.2 66.45,56.78 v1(66.48,56.75) ; v1(369.99,13.87) 369.83,13.71 369.83,7.18 369.84,7.17 D103.2 ; v1(56.83,76.26) 56.75,76.33 D13.2 57.85,83.79 57.85,95.53 v1(58.77,96.45) ; v1(369.7,54.12) 369.7,56.6 v1(369.84,56.74) ; v1(416.47,117.35) 415.02,117.35 v1(415,117.33) ; v1(326.83,76.46) 326.83,74.04 v1(326.78,74) ; v1(76.24,96.64) 76.1,96.78 D3.2 ; v1(373.51,97.26) 373.23,97.54 v1(373.23,105.96) ; D63.2 285.6,97.34 v1(285.59,97.33) ; v1(370.26,15.48) 370.26,24.13 v1(370.28,24.14) ; v1(390.52,40.69) 390.64,40.81 D93.2 ; v1(346.29,89.1) 346.29,82.8 346.47,82.62 D73.2 347.92,76.72 v1(348.03,76.61) 349.45,75.19 v1(349.45,57.19) ; v1(80.97,16.19) 80.95,16.21 D43.2 ; v1(346.48,96.6) 346.48,91.04 v1(346.28,90.84) ; v1(71.46,16.19) 71.46,10.06 D53.2 ; v1(373.07,49.39) 373.07,40.88 v1(373.63,40.32) 372.26,38.95 372.26,33.11 371.82,32.67 371.82,31.33 372.69,30.46 v1(372.69,24.2)
COL4: length 719.6
  Top w0.2: v1(410.24,54.75) 410.36,54.75 411.27,53.85 411.25,53.83 411.25,51.18 409.39,49.33 D94.2 ; v1(336.78,101.96) 311.14,101.96 v1(309.83,103.26) 308.39,101.82 96.47,101.82 96.47,96.74 v1(95.24,95.52) 94.17,94.44 74.82,94.44 74.82,84.33 D14.2 ; v1(407.92,93.62) 407.85,93.55 v1(407.85,90.33) ; v1(83.95,73.37) 83.95,72.29 v1(83.83,72.17) ; v1(345.82,71.24) 345.82,73.5 349.24,76.92 v1(351.24,76.92) v1(371.67,76.92) 411.36,76.92 v1(411.4,76.96) ; v1(98.43,34.33) 98.5,34.4 v1(98.5,35.62) ; v1(85.52,56.75) 88.76,56.75 v1(88.84,56.67) ; v1(414.25,113.27) 414.25,117.94 v1(415.12,118.81) ; v1(350.75,101.12) 350.56,101.31 v1(339.3,101.31) ; v1(83.9,75.67) 83.55,76.01 v1(76.05,76.01) ; v1(88.83,53.42) v1(88.83,52.2) ; v1(408.17,34.16) 408.17,35.54 v1(408.08,35.63) ; v1(90.55,37.91) 98.33,37.91 v1(98.46,37.78) ; D104.2 408.78,6.27 v1(408.92,6.13) ; v1(100.07,19.23) 100.78,18.52 v1(142.67,18.52)
  Bottom w0.2: v1(83.9,75.67) 83.9,73.42 v1(83.95,73.37) ; v1(76.05,76.01) 76.2,76.17 D14.2 ; D54.2 142.44,7.45 142.67,7.67 v1(142.67,18.52) ; v1(98.43,34.33) 98.43,27.16 99.19,26.4 D44.2 99.9,19.4 v1(100.07,19.23) ; v1(88.84,56.67) 88.84,53.43 v1(88.83,53.42) ; v1(95.24,95.52) 95.15,95.61 D4.2 ; v1(90.55,37.91) 90.3,38.16 D34.2 88.84,45.2 88.83,45.19 v1(88.83,52.2) ; v1(83.83,72.17) 83.84,72.16 83.84,65.06 83.93,65.15 D24.2 85.5,56.77 v1(85.52,56.75) ; v1(350.75,101.12) 351.24,100.64 v1(351.24,76.92) ; v1(408.17,34.16) 408.07,34.06 408.07,6.99 v1(408.92,6.13) ; v1(414.25,113.27) 420.93,106.59 420.93,106.5 420.89,106.54 411.3,106.54 411.3,96.88 411.18,96.88 410.82,96.52 410.82,96.24 410.47,95.89 410.47,95.15 408.94,93.62 v1(407.92,93.62) ; v1(98.5,35.62) 98.46,35.65 v1(98.46,37.78) ; D74.2 371.52,77.07 v1(371.67,76.92) ; v1(336.78,101.96) 338.65,101.96 v1(339.3,101.31) ; v1(407.85,90.33) 411.4,86.78 v1(411.4,76.96) 410.92,76.49 410.92,63.03 410.66,63.03 409.85,62.22 409.85,55.14 v1(410.24,54.75) ; v1(408.08,35.63) 409.39,36.93 D94.2 ; v1(415.12,118.81) 416.69,118.81 420.21,122.33 ; D64.2 309.5,103.59 v1(309.83,103.26) ; v1(345.82,71.24) 345.82,64.59 345.69,64.46 345.89,64.26 D84.2
